# Altium PCB Ctrl-FOC-Lite.PcbDoc
Units mil, origin at the board's own origin, x right, y up, seen from the top; angles counter-clockwise.
Board outline 1140 x 1300 mil, 4 copper layers (Top1, Gnd2, Signal3, Bottom4), stack 41.067 mil thick; 94 components, 75 nets, 359 pads, 232 vias.
Unrouted connection lines stored in the file: 57.
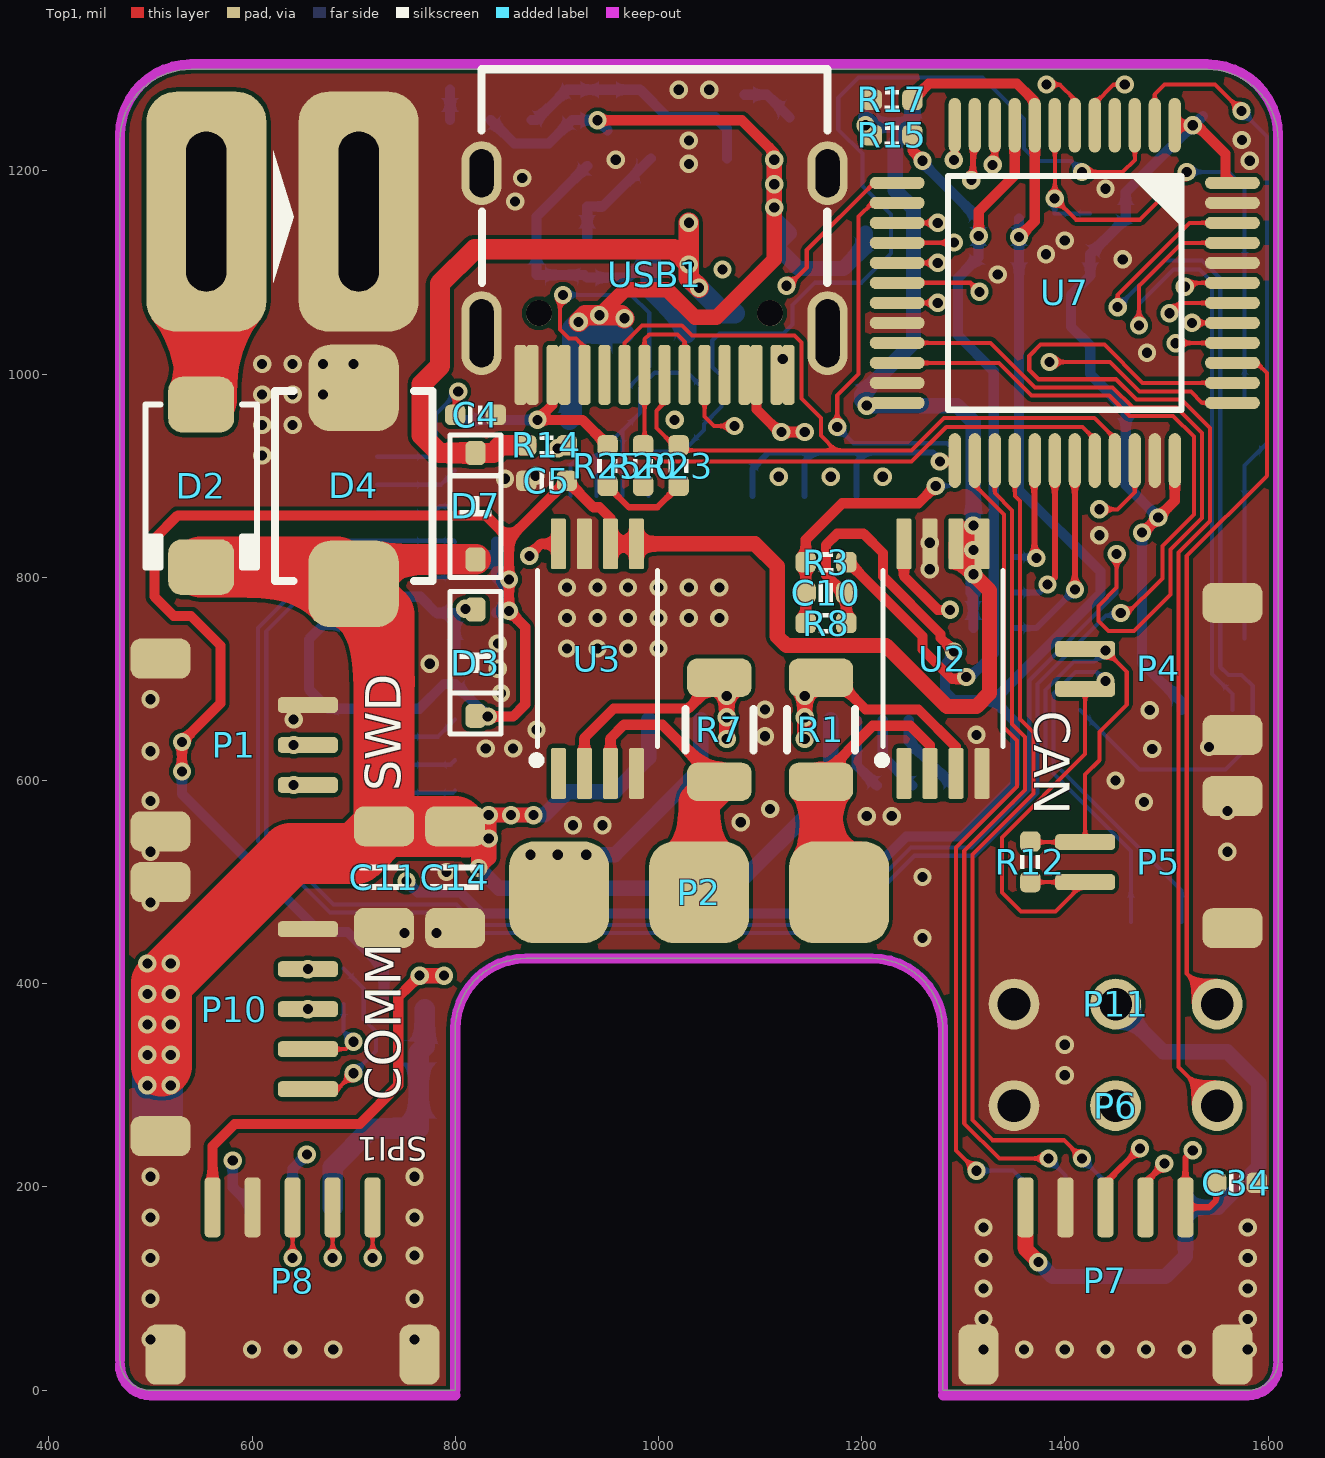
[diagram p0: Top1 view]
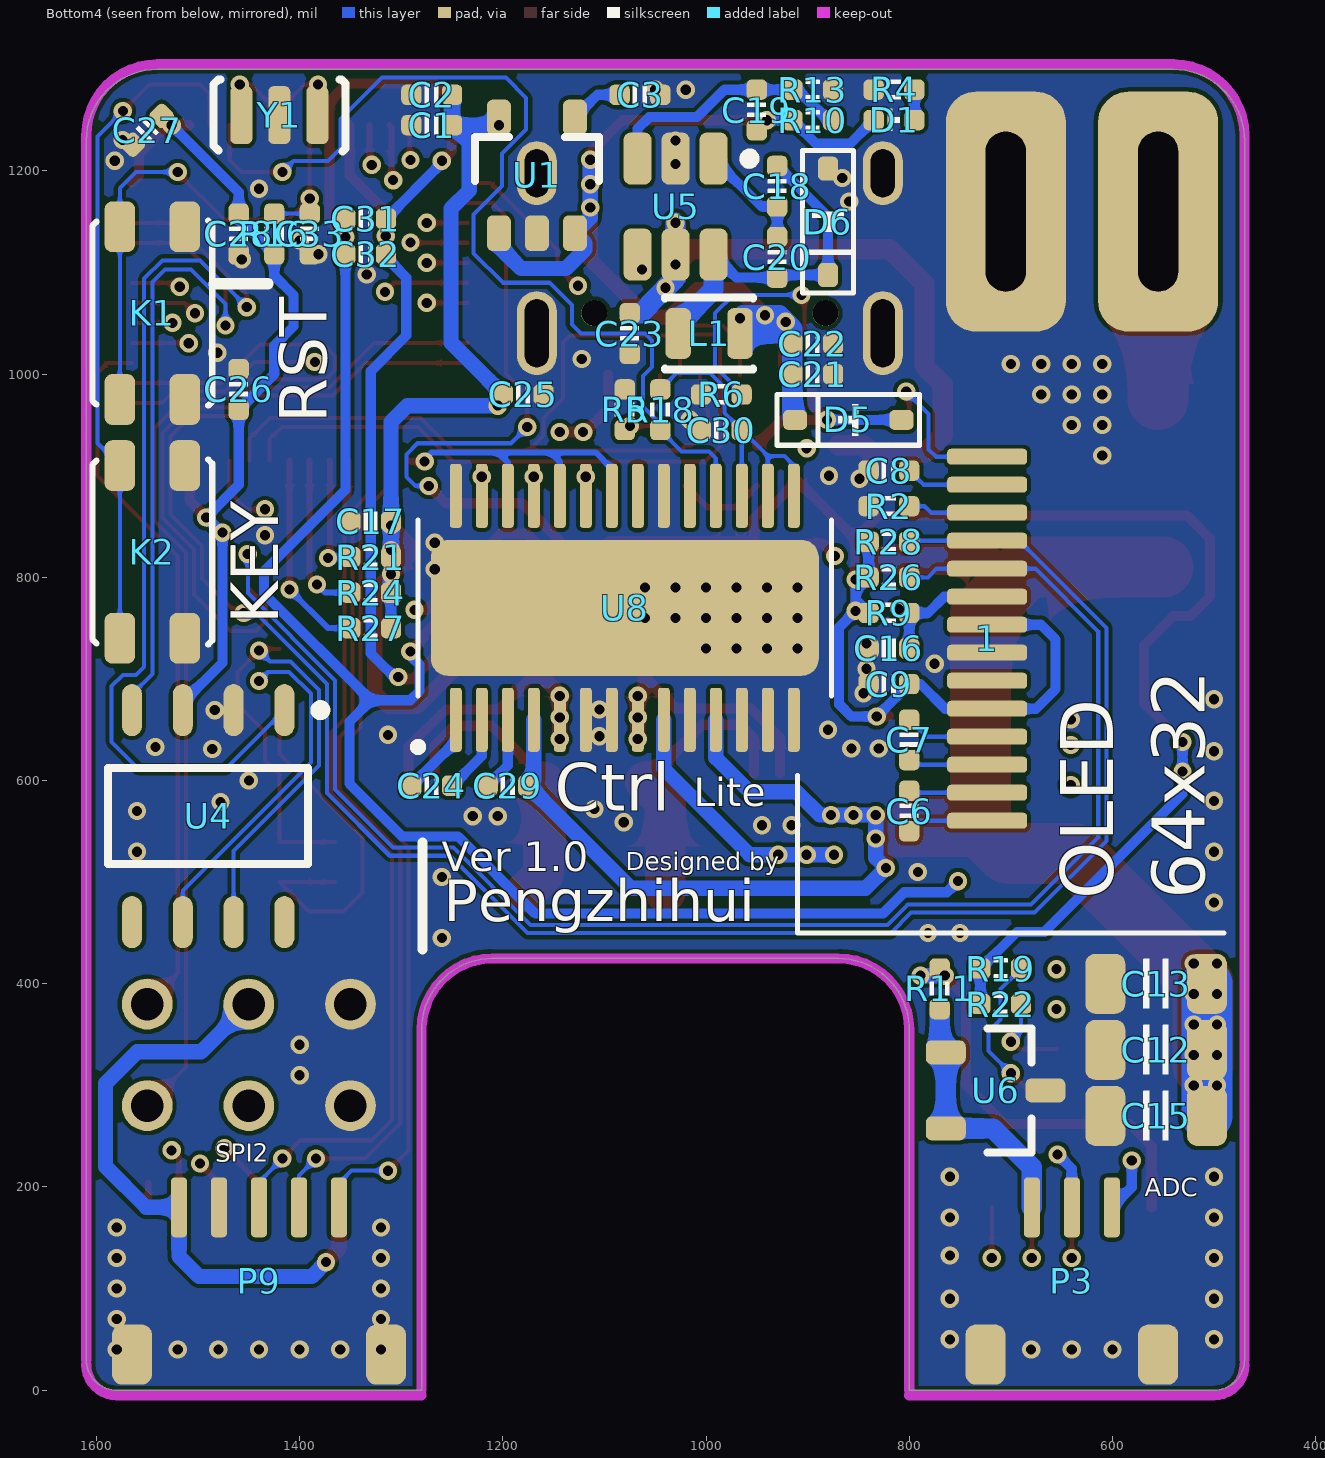
[diagram p1: Bottom4 view, seen from below]
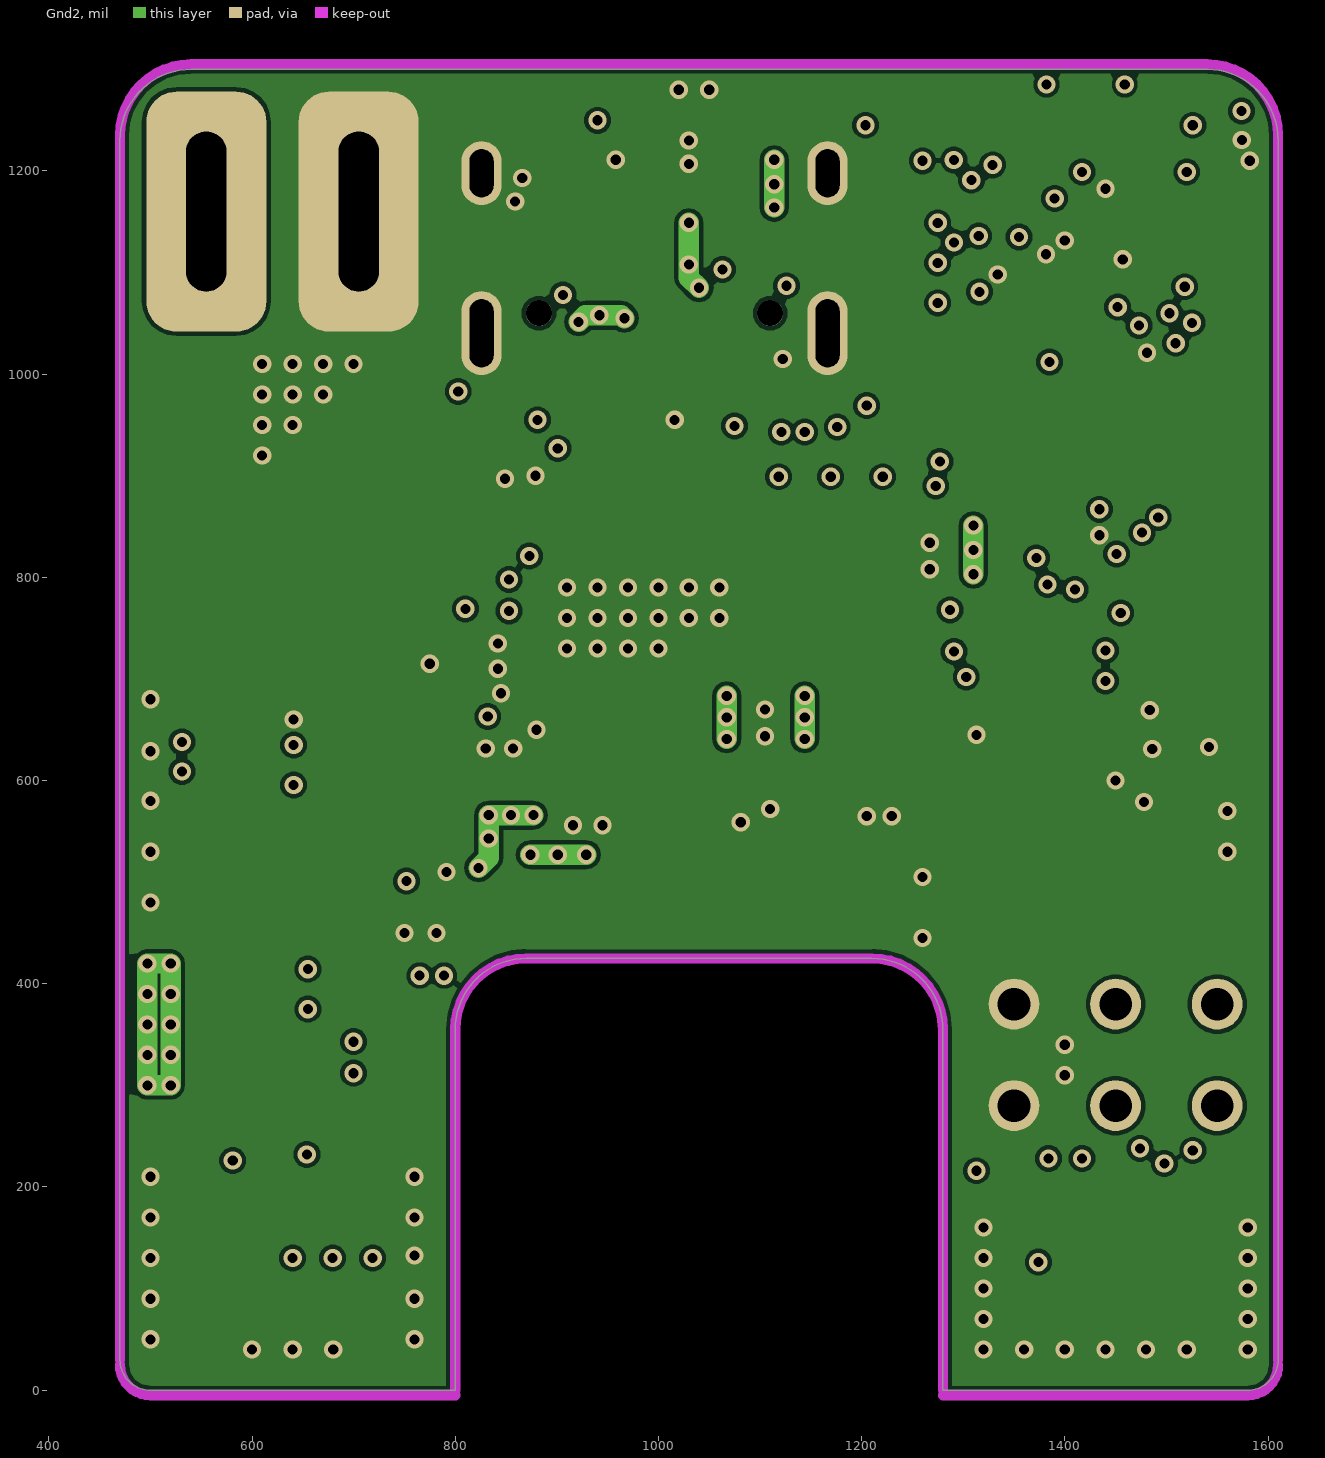
[diagram p2: Gnd2]
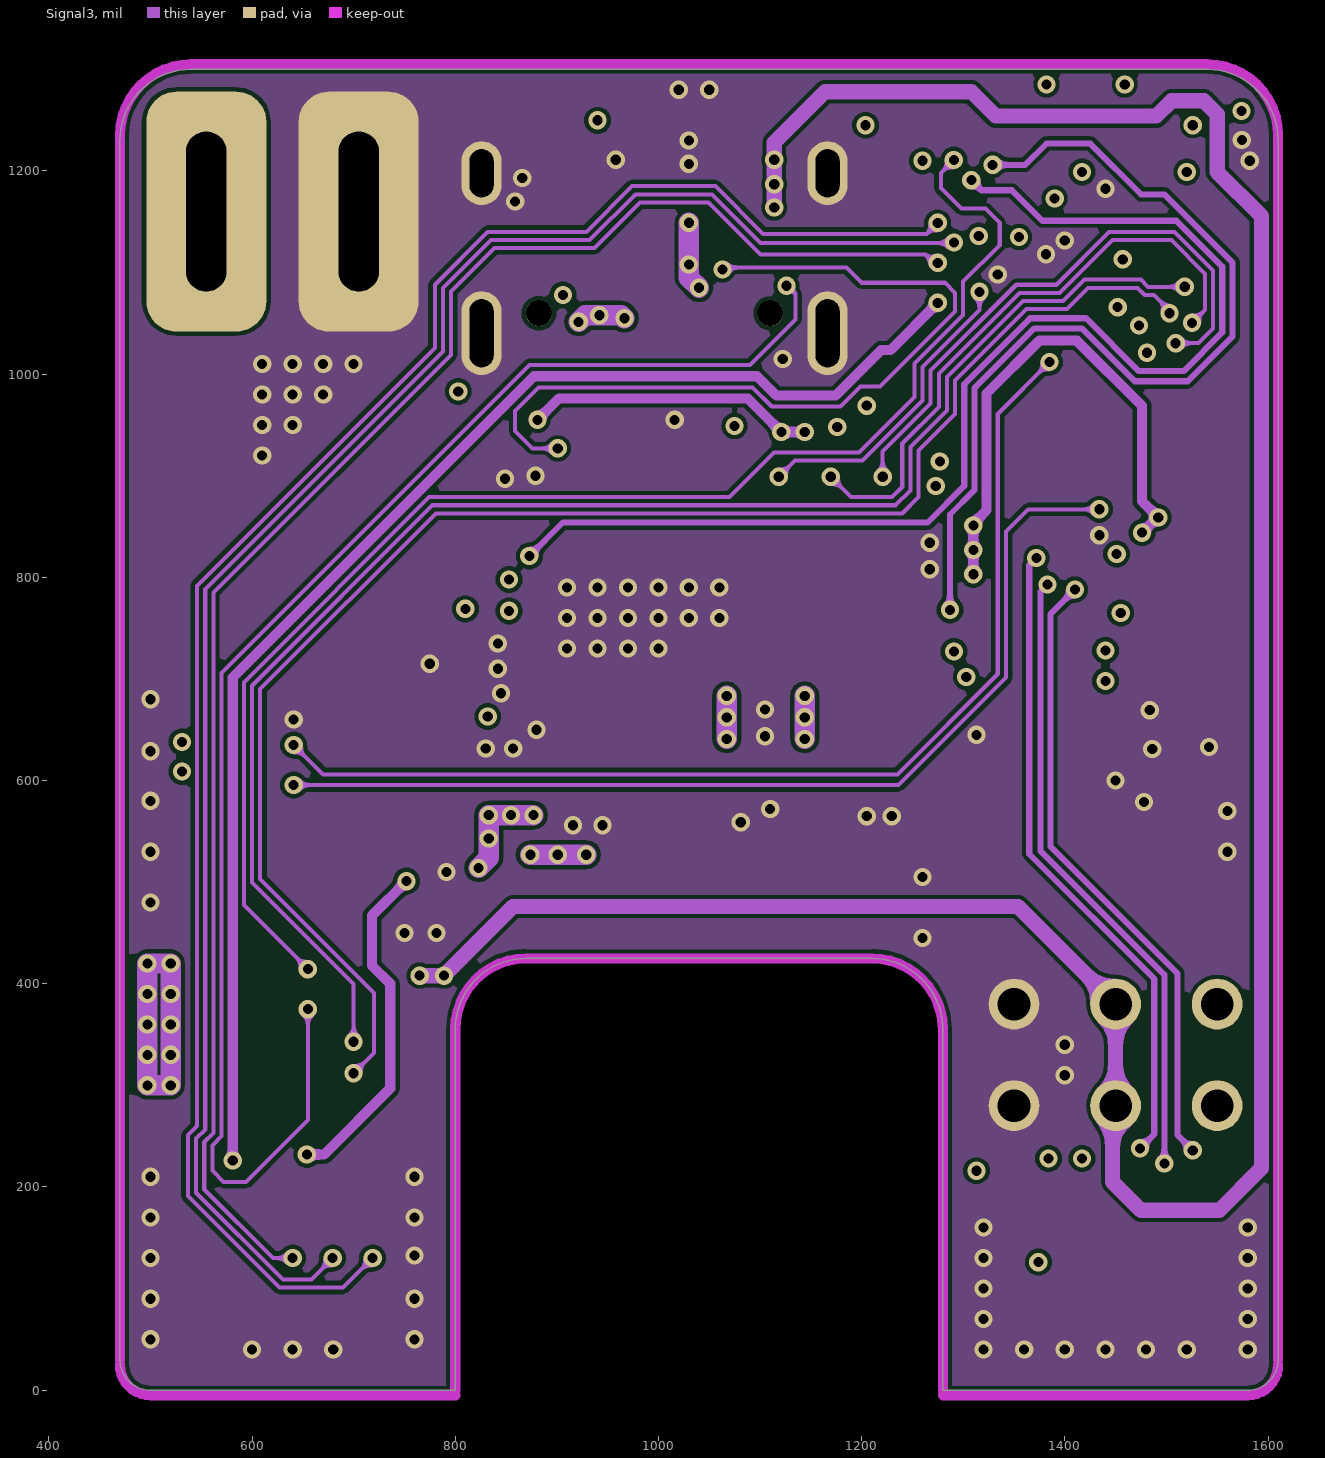
[diagram p3: Signal3]
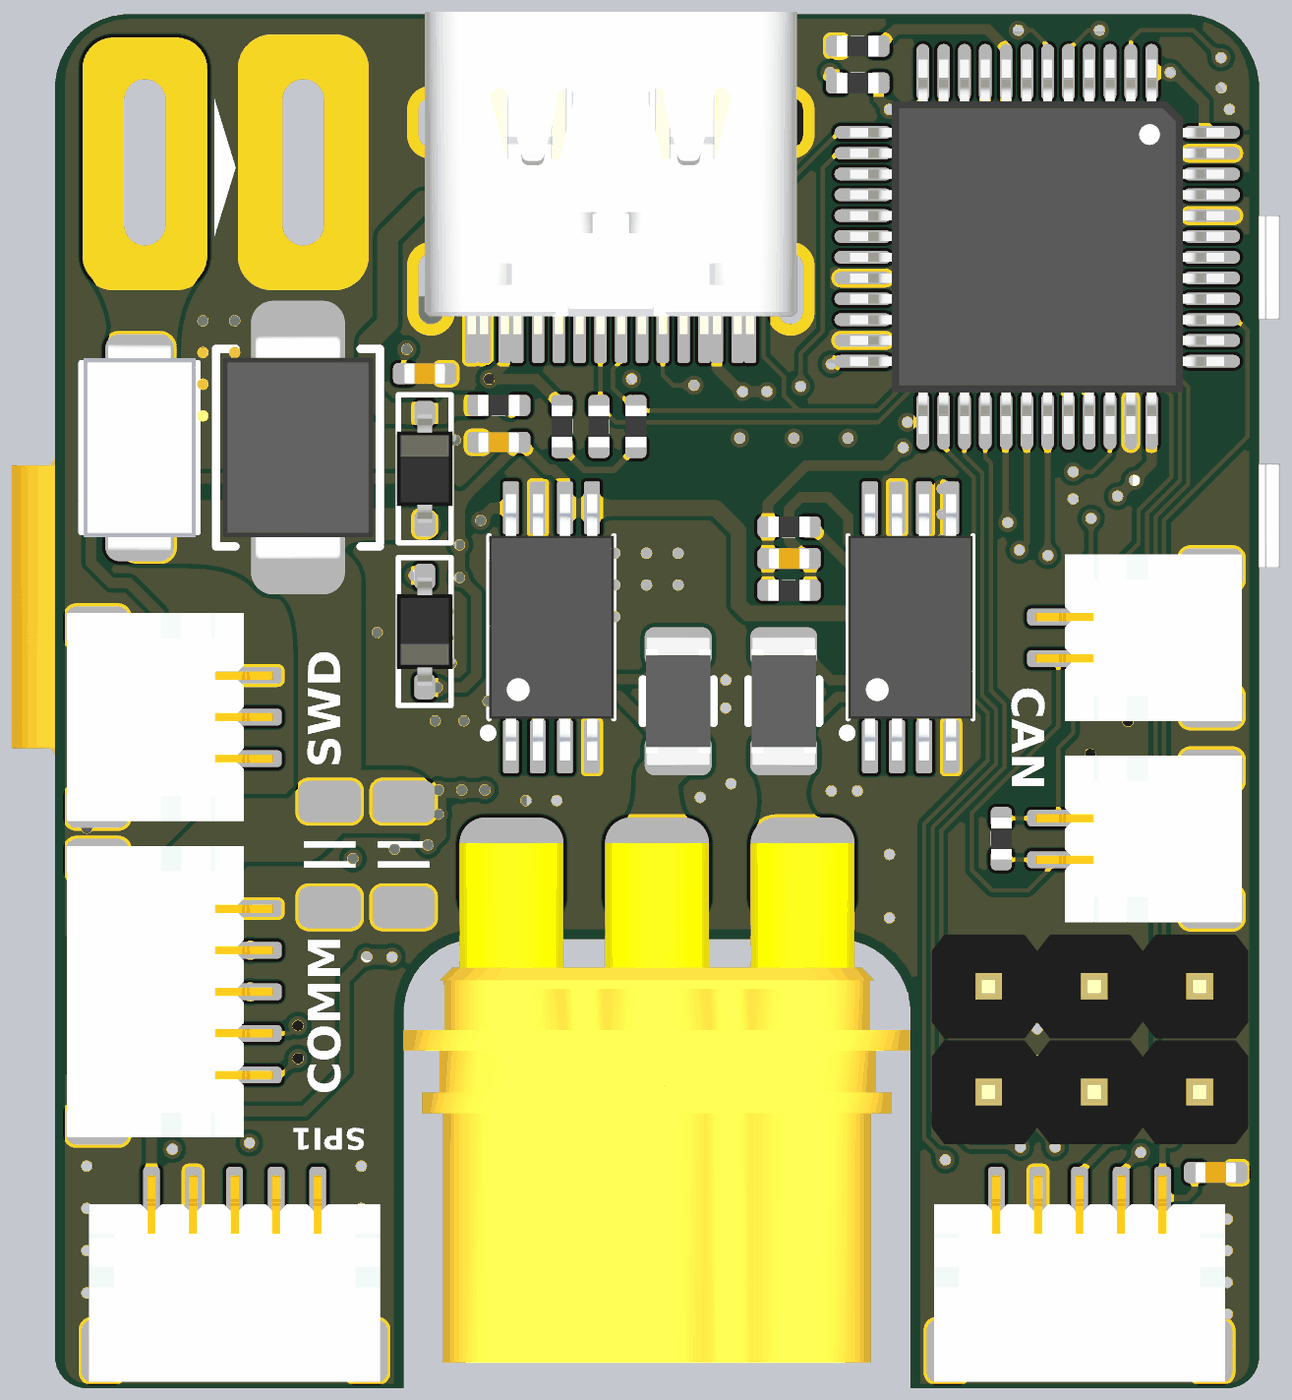
[diagram p4: 3D render of the assembled board from above, using the file's embedded part models]
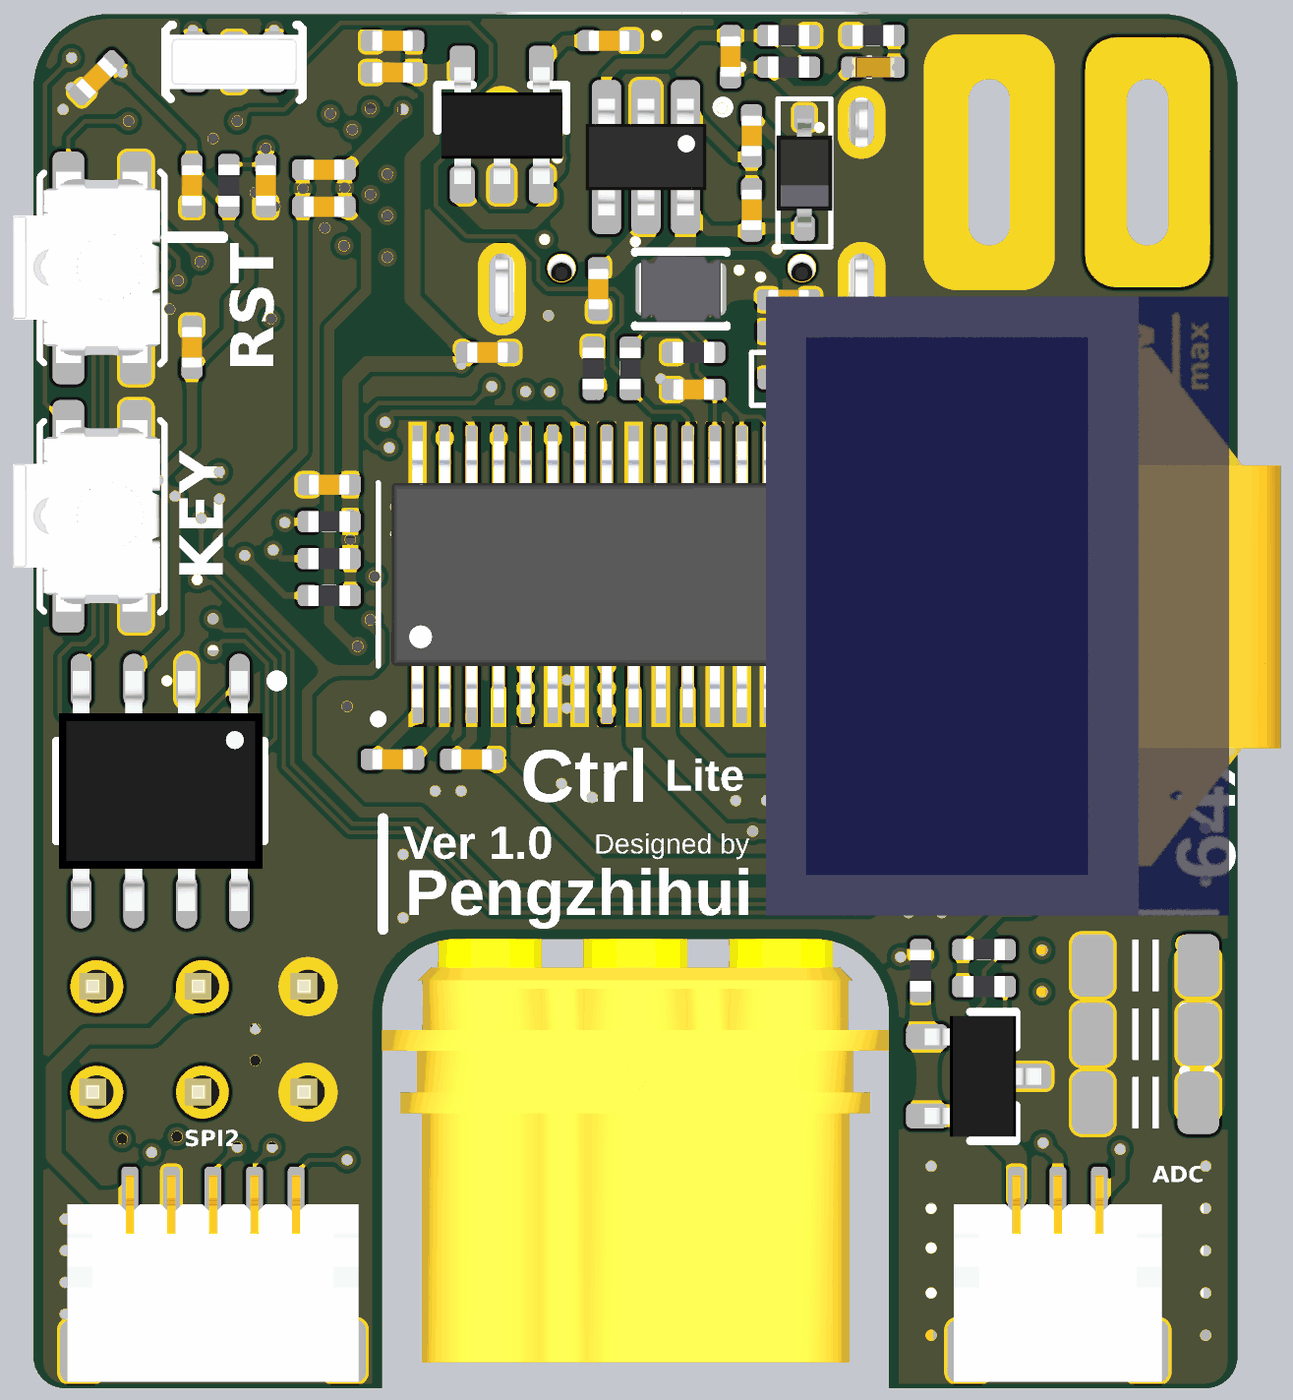
[diagram p5: 3D render of the assembled board from below, using the file's embedded part models]

## Layer stack, top to bottom
Top Solder: solder mask 0.4, Solder Resist, Dk 3.5
Top1: signal copper 1.4
Dielectric1: core 11.811, FR-4, Dk 4.2
Gnd2: signal copper 1.4169
Dielectric 2: prepreg 11.811, Dk 4.2
Signal3: signal copper 1.4169
Dielectric 3: core 11.811, Dk 4.2
Bottom4: signal copper 1.4
Bottom Solder: solder mask 0.4, Solder Resist, Dk 3.5

## Board outline
470,30 ccw(c500,30) 500,0 800,0 800,355 cw(c870,355) 870,425 1210,425 cw(c1210,355) 1280,355 1280,0 1580,0 ccw(c1580,30) 1610,30 1610,1230 ccw(c1540,1230) 1540,1300 540,1300 ccw(c540,1230) 470,1230

## Design rules (kind name [scope] priority, off if disabled: settings)
Clearance Clearance_Logo [InNetClass('Logo')] p1: gap=8 ignorepadtopadclearanceinfootprint=FALSE
Clearance [All] p2: gap=4 ignorepadtopadclearanceinfootprint=FALSE except(0: Arc-Hole Track-Hole SMDPad-Hole THPad-Hole Via-Hole Fill-Hole Poly-Hole Region-Hole Text-Hole)
ComponentClearance [All] p1: gap=0 collisioncheckmode=3 verticalgap=0 showdistances=FALSE
DiffPairsRouting [All] p1: maxlimit=9 minlimit=9 mostfreqgap=9 toplayer_minwidth=15 toplayer_maxwidth=15 toplayer_prefwidth=15 midlayer1_minwidth=15 midlayer1_maxwidth=15 midlayer1_prefwidth=15 midlayer2_minwidth=15 midlayer2_maxwidth=15 midlayer2_prefwidth=15 bottomlayer_minwidth=15 bottomlayer_maxwidth=15 bottomlayer_prefwidth=15 maxuncoupledlength=500
FanoutControl Fanout_BGA [All] p1: bgadir=Out bgaviamode=Centered fanoutstyle=Auto fanoutdirection=Alternating viagrid=1 // Fanout_BGA (Default Rule)
HoleSize [All] p1: absolutevalues=TRUE maxlimit=10000 minlimit=8 maxpercent=80.000 minpercent=20.000
MinimumSolderMaskSliver [All] p1 off: minsoldermaskwidth=2
PlaneClearance [All] p1: clearance=8
PlaneConnect [All] p1: planeconnectstyle=Direct reliefexpansion=20 reliefentries=4 reliefconductorwidth=10 reliefairgap=10
PolygonConnect [All] p1: connectstyle=Direct reliefconductorwidth=10 reliefentries=4 polygonreliefangle="90 Angle" airgapwidth=10
RoutingVias [All] p1: holewidth=8 width=16 viastyle="Through Hole" minholewidth=6 minwidth=12 maxholewidth=28 maxwidth=50
SilkToSilkClearance [All] p1: silktosilkclearance=0
SilkToSolderMaskClearance [IsPad] p1: minsilkscreentomaskgap=0 clearancetoexposedcopper=TRUE
SolderMaskExpansion [All] p1: expansion=3 istentingtop=FALSE
Width Logo [InNetClass('Logo')] p1: maxlimit=100 minlimit=0.1 preferedwidth=10
Width GND [(InNet('AGND') OR InNet('GND'))] p2: maxlimit=50 minlimit=4 preferedwidth=10
Width VCC [(InNet('VDD_SYS_3.3V') OR InNet('VDD_AV_3.3V') OR InNet('VDD_5V') OR InNet('VDD1V2-SYS') OR InNet('VDD1V1-EPHY') OR InNet('VDD-CPUX') OR InNet('VDD-CPUS') OR InNet('VDD-CPUFB') OR InNet('VCC-DRAM'))] p3: maxlimit=50 minlimit=4 preferedwidth=10
Width [All] p4: maxlimit=10000 minlimit=4 preferedwidth=4
21 further rules are at their usual default settings.

## Components (designator, comment, footprint, x,y, rotation, side; value= is the part's Value field where it differs from the comment)
1 "OLED-6432" OLED-6432-TOP 440,740 r90 bottom locked
C1 "0.1uF" CAP_0402 1270,1245 r180 bottom value=0.1u
C2 "10uF" CAP_0402 1270,1275 r180 bottom value=0.1u
C3 "10nF" CAP_0402 1065,1275 r0 bottom value=0.1u
C4 "10uF" CAP_0402 820,960 r180 top value=0.1u
C5 "0.1uF" CAP_0402 890,895 r180 top value=0.1u
C6 "1uF" CAP_0402 800,570 r270 bottom value=0.1u
C7 "1uF" CAP_0402 800,640 r90 bottom value=0.1u
C8 "10uF" CAP_0402 820,905 r180 bottom value=0.1u
C9 "10uF" CAP_0402 820,695 r180 bottom value=0.1u
C10 "10uF" CAP_0402 1165,785 r180 top value=0.1u
C11 "100uF" 1206-CAP 730,505 r90 top value=0.1u
C12 "100uF" 1206-CAP 557,335 r180 bottom value=0.1u
C13 "100uF" 1206-CAP 557,400 r180 bottom value=0.1u
C14 "100uF" 1206-CAP 800,505 r90 top value=0.1u
C15 "100uF" 1206-CAP 557,270 r180 bottom value=0.1u
C16 "10uF" CAP_0402 820,730 r180 bottom value=0.1u
C17 "0.1uF" CAP_0402 1330,855 r0 bottom value=0.1u
C18 "0.1uF" CAP_0402 930,1185 r270 bottom value=0.1u
C19 "100pF" CAP_0402 950,1260 r90 bottom value=0.1u
C20 "0.1uF" CAP_0402 930,1115 r90 bottom value=0.1u
C21 "0.1uF" CAP_0402 895,1000 r0 bottom value=0.1u
C22 "10uF" CAP_0402 895,1030 r0 bottom value=0.1u
C23 "10uF" CAP_0402 1075,1040 r90 bottom value=0.1u
C24 "10nF" CAP_0402 1270,595 r180 bottom value=0.1u
C25 "0.1uF" CAP_0402 1180,980 r0 bottom value=0.1u
C26 "0.1uF" CAP_0402 1460,985 r270 bottom value=0.1u
C27 "0.1uF" CAP_0402 1550,1240 r135 bottom value=0.1u
C28 "0.1uF" CAP_0402 1460,1138 r90 bottom value=0.1u
C29 "0.1uF" CAP_0402 1195,595 r180 bottom value=0.1u
C30 "0.47uF" CAP_0402 985,945 r180 bottom value=0.1u
C31 "0.1uF" CAP_0402 1335,1153 r180 bottom value=0.1u
C32 "10uF" CAP_0402 1335,1118 r180 bottom value=0.1u
C33 "0.1uF" CAP_0402 1390,1138 r90 bottom value=0.1u
C34 "47nF" CAP_0402 1569,204 r0 top value=0.1u
D1 "color?" LED_0402_RED 815,1250 r180 bottom
D2 "SS54" DO-214AC 550,890 r270 top
D3 "二极管-5B5817WS" SOD-323 820,716 r270 top
D4 "SMBJ28CA" SMBJ-CA_MFG 700,890 r270 top
D5 "二极管-5B5819WS" SOD-323 860,955 r0 bottom
D6 "二极管-5B5819WS" SOD-323 880,1150 r270 bottom
D7 "二极管-5B5819WS" SOD-323 820,870 r90 top
K1 "TACT 4P" ButtonTACT_3.5*3.55_90 1545,1060 r90 bottom locked value=3.4x3.5
K2 "TACT 4P" ButtonTACT_3.5*3.55_90 1545,825 r90 bottom locked value=3.4x3.5
L1 "6.8uH" IND-201612 997,1040 r180 bottom
P1 "SH1.0-3P" SH1.0-3P 655,635 r270 top locked
P2 "电机接插件-3P" AMASS-MR30-M 1040,490 r0 top locked
P3 "SH1.0-3P" SH1.0-3P 640,180 r180 bottom locked
P4 "SH1.0-2P" SH1.0-2P 1420,710 r90 top locked
P5 "SH1.0-2P" SH1.0-2P 1420,519.69 r90 top locked
P6 "HDR1x3_2.54" HDR1X3_2.54_180 1350,280 r90 top
P7 "SH1.0-5P" SH1.0-5P 1440,180 r0 top locked
P8 "SH1.0-5P" SH1.0-5P 640,180 r0 top locked
P9 "SH1.0-5P" SH1.0-5P 1440,180 r180 bottom locked
P10 "SH1.0-5P" SH1.0-5P 655,375 r270 top locked
P11 "HDR1x3_2.54" HDR1X3_2.54_180 1350,380 r90 top
R1 "0.01R" 1206-RES 1160,650 r90 top value=22R
R2 "560K" RES_0402 820,870 r180 bottom value=22R
R3 "NCP15XH103F03RC" RES_0402 1165,815 r0 top value=10k
R4 "2K" RES_0402 815,1280 r180 bottom value=22R
R5 "5.1K" RES_0402 1080,965 r90 bottom value=22R
R6 "5.1K" RES_0402 985,980 r0 bottom value=22R
R7 "0.01R" 1206-RES 1060,650 r270 top value=22R
R8 "3.3K" RES_0402 1165,755 r180 top value=22R
R9 "4.7K" RES_0402 820,765 r180 bottom value=22R
R10 "10K" RES_0402 895,1250 r0 bottom value=22R
R11 "120R" RES_0402 770,395 r270 bottom value=22R
R12 "120R/NC" RES_0402 1366,520 r270 top value=22R
R13 "1.8K" RES_0402 895,1280 r0 bottom value=22R
R14 "1M" RES_0402 890,930 r0 top value=22R
R15 "0R" RES_0402 1230,1235 r180 top value=22R
R16 "10K" RES_0402 1425,1138 r270 bottom value=22R
R17 "0R" RES_0402 1230,1270 r180 top value=22R
R18 "10K" RES_0402 1045,965 r270 bottom value=22R
R19 "4.7K" RES_0402 710,415 r0 bottom value=22R
R20 "22R" RES_0402 985,910 r90 top
R21 "3.3K" RES_0402 1330,820 r0 bottom value=22R
R22 "4.7K" RES_0402 710,380 r0 bottom value=22R
R23 "22R" RES_0402 1020,910 r90 top
R24 "3.3K" RES_0402 1330,785 r0 bottom value=22R
R25 "1.5K" RES_0402 950,910 r90 top value=22R
R26 "4.7K" RES_0402 820,800 r0 bottom value=22R
R27 "3.3K" RES_0402 1330,750 r0 bottom value=22R
R28 "4.7K" RES_0402 820,835 r0 bottom value=22R
U1 "LP2992 3V3" SOT23-5 1166.5,1197.8 r90 bottom
U2 "INA240A2PWR" "SOP65 P640X120-8N" 1280,720 r90 top
U3 "INA240A2PWR" "SOP65 P640X120-8N" 940,720 r90 top
U4 "SN65HVD232D" SO-8 1490,565 r270 bottom
U5 "ME3116" SOT23-6 1030,1165 r270 bottom
U6 "TL431IDBZT" SOT23-3 715,295 r180 bottom
U7 "STM32F103CBT6" LQFP-48 1400,1080 r270 top locked
U8 "DRV8313PWP" HTSSOP-28 1080,770 r90 bottom
USB1 "Type-C" Type-C-TOP 996.22,1098.58 r90 top
Y1 "8MHz" 晶振-3P 1420,1255 r0 bottom
